# Altium PCB withICversion.PcbDoc (part 1 of 3) (continued)
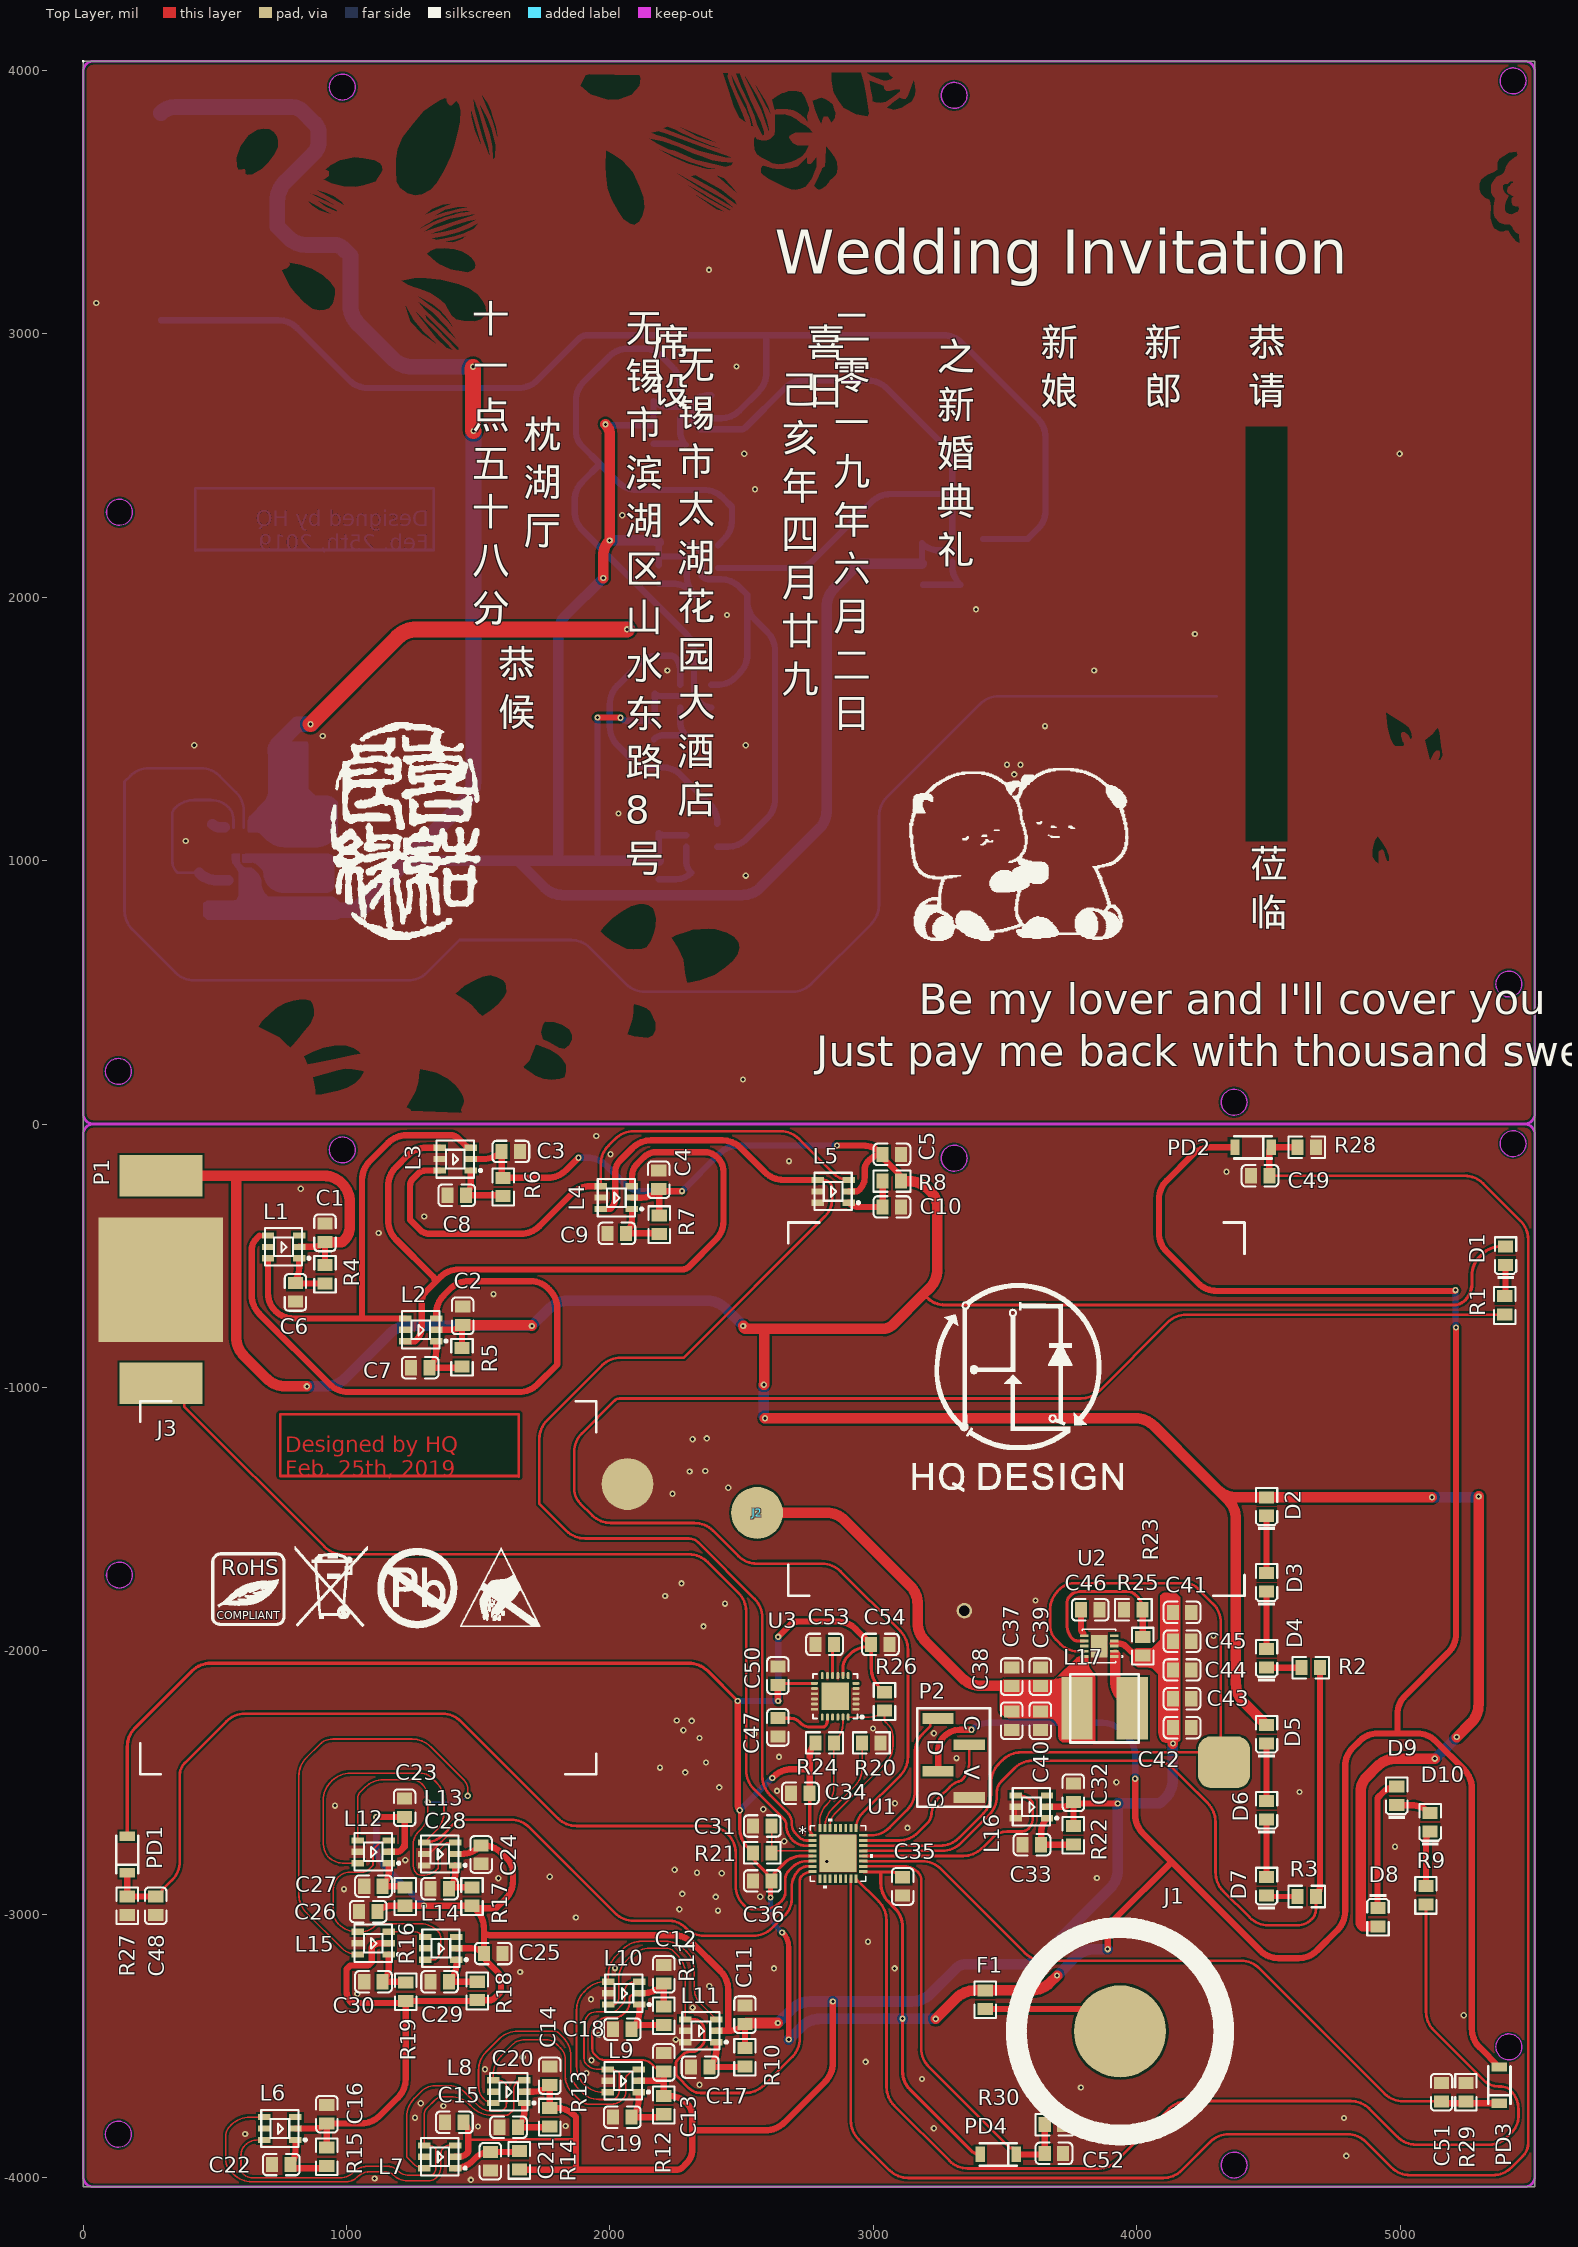
[diagram p0: Top Layer view]
## Components (designator, comment, footprint, x,y, rotation, side; value= is the part's Value field where it differs from the comment) (continued)
R19 "150Ω (1500) ±1%" 0805_R 1224.41,-3294.53 r270 top
R20 "10KΩ (1002) ±1%" 0805_R 2992.68,-2350.1 r180 top
R21 "10KΩ (1002) ±1%" 0805_R 2578.74,-2767.42 r180 top
R22 "150Ω (1500) ±1%" 0805_R 3759.84,-2700.53 r90 top
R23 "40.2KΩ (4022) ±1%" 0805_R 4022.64,-1982.28 r270 top
R24 "4.7KΩ (4701) ±1%" 0805_R 2814.96,-2350.1 r0 top
R25 "10KΩ (1002) ±1%" 0805_R 3987.6,-1844.49 r0 top
R26 "4.7KΩ (4701) ±1%" 0805_R 3042.52,-2192.62 r270 top
R27 "10KΩ (1002) ±1%" 0805_R 167.32,-2968.11 r90 top
R28 "10KΩ (1002) ±1%" 0805_R 4645.67,-88.12 r180 top
R29 "10KΩ (1002) ±1%" 0805_R 5250.28,-3676.06 r270 top
R30 "10KΩ (1002) ±1%" 0805_R 3686.06,-3799.09 r180 top
R31 "150Ω (1500) ±1%" 0805_R 3188.98,2082.28 r90 bottom
R32 "150Ω (1500) ±1%" 0805_R 2165.35,2618.11 r90 bottom
R33 "150Ω (1500) ±1%" 0805_R 2185.04,2086.61 r90 bottom
R34 "150Ω (1500) ±1%" 0805_R 2167.32,1496.06 r90 bottom
R35 "150Ω (1500) ±1%" 0805_R 2185.04,964.57 r90 bottom
R36 "40.2KΩ (4022) ±1%" 0805_R 586.22,925.21 r0 bottom
R37 "10KΩ (1002) ±1%" 0805_R 439.96,988.58 r270 bottom
U1 "STM32L0X1KUF2" UFQFPN32-5X5MM 2865.83,-2769.43 r0 top value=Value
U2 "TPS61230DRCR" VSON10_3X3 3857.28,-1982.28 r180 top value=Value
U3 "MPU-6050" QFN-24_4x4x05P 2855.43,-2172.93 r90 top
U4 "TPS61230DRCR" VSON10_3X3 590.55,1067.32 r90 bottom value=Value

## Footprints (in the part's own frame and the unit in brackets; to place one, negate y for a bottom-side part, rotate by r counter-clockwise, add the part's x,y. Pads: shape width x height; smd on the part's side, far side on the other; paste and mask are expansions set on the pad)
0805_C [mm]
  rect 1.16x1.47 smd: 1(-0.89,0) 2(0.89,0)
  silkscreen extent -1.77,-1.04 1.77,1.04, body extent -1,-0.62 1,0.63, height 0.77
0805_LED_S1 [mm]
  rect 1.16x1.47 smd: A(0.89,0) K(-0.89,0)
  silkscreen extent -2.24,-1.04 1.77,1.03, body extent -1.01,-0.62 1.01,0.62, height 1.1
0805_R [mm]
  rect 1.16x1.47 smd: 1(-0.89,0) 2(0.89,0)
  silkscreen extent -1.77,-1.04 1.77,1.03, body extent -1,-0.62 1,0.63, height 0.49
173139_BOT [mm]
  round 5 smd: 1(-10,25)
  silkscreen extent -18,-22 18,22
173139_HDR [mm]
  round 5 smd far side: 1(10,25)
CR2016_BOT [mm]
  oval 1.5x10 smd: 1(-11,0) 1(11,0)
  oval 1.5x5 smd rot 45: 1(-7.778,-7.778) 1(7.778,7.778)
  oval 1.5x5 smd rot 135: 1(-7.778,7.778) 1(7.778,-7.778)
  oval 10x1.5 smd: 1(0,-11) 1(0,11)
  round 20 smd: 1(0,0)
CR2016_HDR [mm]
  round 8.88 smd far side mask+0.102: 1(0,0)
HQCON [mm]
  rect 8x4 smd: 1(0,10) 3(0,-10)
  rect 12x12 smd: 2(0,0)
L2525 [mm]
  rect 6x3 smd: 1(3.302,-0.635) 2(3.302,-5.969)
  silkscreen extent 0,-6.6 6.6,0, body extent 0.7,-6.13 5.9,-0.42, height 4.5
LED-3535 [mm]
  rect 1.2x0.6 smd: 1(1.5,-1.1) 2(1.5,0) 3(1.5,1.1) 4(-1.5,1.1) 5(-1.5,0) 6(-1.5,-1.1)
  silkscreen extent -1.8,-1.8 2.57,1.8
LL-34 [mm]
  rect 0.9x1.5 smd: 1(1.75,0) 2(-1.75,0)
  silkscreen extent -1.8,-1.08 1.8,1.08
QFN-24_4x4x05P [mm]
  rect 2.68x2.68 smd mask+0.051: 0(0,0)
  oval 0.28x0.7 smd mask+0.051: 1(-1.25,-2) 2(-0.75,-2) 3(-0.25,-2) 4(0.25,-2) 5(0.75,-2) 6(1.25,-2) 13(1.25,2) 14(0.75,2) 15(0.25,2) 16(-0.25,2) 17(-0.75,2) 18(-1.25,2)
  oval 0.7x0.28 smd mask+0.051: 7(2,-1.25) 8(2,-0.75) 9(2,-0.25) 10(2,0.25) 11(2,0.75) 12(2,1.25) 19(-2,1.25) 20(-2,0.75) 21(-2,0.25) 22(-2,-0.25) 23(-2,-0.75) 24(-2,-1.25)
  silkscreen extent -2.15,-2.73 2.15,2.15
SWIM_SMT4 [mm]
  rect 1.02x3 smd: 1(0,0) 2(2.54,3) 3(5.08,0) 4(7.62,3)
  silkscreen extent -1,-2 8.5,5
UFQFPN32-5X5MM [mil]
  rect 32x11 smd paste+0 mask+0: 1(-96.5,68.9) 2(-96.5,49.21) 3(-96.5,29.53) 4(-96.5,9.84) 5(-96.5,-9.84) 6(-96.5,-29.53) 7(-96.5,-49.21) 8(-96.5,-68.9) 17(96.5,-68.9) 18(96.5,-49.21) 19(96.5,-29.53) 20(96.5,-9.84) 21(96.5,9.84) 22(96.5,29.53) 23(96.5,49.21) 24(96.5,68.9)
  rect 11x32 smd paste+0 mask+0: 9(-68.9,-96.5) 10(-49.21,-96.5) 11(-29.53,-96.5) 12(-9.84,-96.5) 13(9.84,-96.5) 14(29.53,-96.5) 15(49.21,-96.5) 16(68.9,-96.5) 25(68.9,96.5) 26(49.21,96.5) 27(29.53,96.5) 28(9.84,96.5) 29(-9.84,96.5) 30(-29.53,96.5) 31(-49.21,96.5) 32(-68.9,96.5)
  rect 142x142 smd paste-70.5 mask+0: 33(0,0)
  silkscreen extent -106,-132 132,132, body extent 0,0 10,10, height 10
VSON10_3X3 [mil]
  rect 32x11 smd paste+0 mask+0: 1(-57,39.37) 2(-57,19.68) 3(-57,0) 4(-57,-19.68) 5(-57,-39.37) 6(57,-39.37) 7(57,-19.68) 8(57,0) 9(57,19.68) 10(57,39.37)
  rect 63x85 smd paste-42 mask+0: 11(0,0)
  silkscreen extent -90,-64 64,64, body extent 0,0 10,10, height 10

## Part data
C1 C2 C3 C4 C5 C6 C7 C8 C9 C10 C11 C12 C13 C14 C15 C16 C17 C18 C19 C20 C21 C22 C23 C24 C25 C26 C27 C28 C29 C30 C31 C32 C33 C34 C35 C46 C48 C49 C50 C51 C52 C53 C54 C55 C56 C57 C58 C59 C60 C61 C62 C63 C64 C74: library part "0805 100nF(104) 10% 50V", "贴片电容", Package=0805, SuppliersPartNumber=C49678, ComponentLink1Description=供?, ComponentLink1URL=http://www.szlcsc.com/product/details_50686.html, Supplier=LC
C36 C37 C38 C39 C40 C41 C42 C43 C44 C45 C65 C66 C67 C68 C69 C70 C71 C72 C73: library part "0805 10uF (106) 10% 25V", "贴片电容", Package=0805, SuppliersPartNumber=C15850, ComponentLink1Description=供?, ComponentLink1URL=http://www.szlcsc.com/product/details_16532.html, Supplier=LC
C47: library part "0805 2.2nF (222) 5% 50V", "贴片电容", Package=0805, SuppliersPartNumber=C28260, ComponentLink1Description=供?, ComponentLink1URL=http://www.szlcsc.com/product/details_29010.html, Supplier=LC
D1: library part "0805 红灯", "发光二极管", Package=0805, SuppliersPartNumber=C2295, ComponentLink1Description=供?, ComponentLink1URL=http://www.szlcsc.com/product/details_2668.html, Supplier=LC
D2 D3 D4 D5 D6 D7 D8 D10: library part "0805 黄灯", "发光二极管", Package=0805, SuppliersPartNumber=C2296, ComponentLink1Description=供?, ComponentLink1URL=http://www.szlcsc.com/product/details_2669.html, Supplier=LC
D9: library part "0805 白灯", "发光二极管", Package=0805, SuppliersPartNumber=C34499, ComponentLink1Description=供?, ComponentLink1URL=http://www.szlcsc.com/product/details_35468.html, Supplier=LC
F1: "Fuse", LatestRevisionDate=17-Jul-2002, LatestRevisionNote="Re-released for DXP Platform.", PackageDescription="Thru-Hole; 2 Leads", PackageReference=PIN-W2/E2.8, Published=8-Jun-2000, Publisher="Altium Limited"
L17 L23: "IHLP2525AHER1R0M", Manufacturer Name=Vishay-Dale, Manufacturer Part Number=IHLP2525AHER1R0M01, PackageReference=IHLP2525AHER1R0M01
P1 P3: "Header, 3-Pin", LatestRevisionDate=17-Jul-2002, LatestRevisionNote="Re-released for DXP Platform.", Publisher="Altium Limited"
P2: "Header, 4-Pin", LatestRevisionDate=17-Jul-2002, LatestRevisionNote="Re-released for DXP Platform.", Publisher="Altium Limited"
PD1 PD2 PD3 PD4: library part "LL-34 LL4148 LL-34 1206", "开关二极管", Package=LL-34, SuppliersPartNumber=C9808, ComponentLink1Description=供?, ComponentLink1URL=http://www.szlcsc.com/product/details_10338.html, Supplier=LC
R1 R20 R21 R25 R27 R28 R29 R30 R37: library part "0805 10KΩ (1002) 1%", "贴片电阻", Package=0805, SuppliersPartNumber=C17414, ComponentLink1Description=供?, ComponentLink1URL=http://www.szlcsc.com/product/details_18102.html, Supplier=LC
R2 R3 R9: library part "0805 1.5KΩ (1501) 1%", "贴片电阻", Package=0805, SuppliersPartNumber=C4310, ComponentLink1Description=供?, ComponentLink1URL=http://www.szlcsc.com/product/details_4717.html, Supplier=LC
R4 R5 R6 R7 R8 R10 R11 R12 R13 R14 R15 R16 R17 R18 R19 R22 R31 R32 R33 R34 R35: library part "0805 150Ω (1500) 1%", "贴片电阻", Package=0805, SuppliersPartNumber=C17471, ComponentLink1Description=供?, ComponentLink1URL=http://www.szlcsc.com/product/details_18159.html, Supplier=LC
R23 R36: library part "0805 40.2KΩ (4022) 1%", "贴片电阻", Package=0805, SuppliersPartNumber=C17678, ComponentLink1Description=供?, ComponentLink1URL=http://www.szlcsc.com/product/details_18366.html, Supplier=LC
R24 R26: library part "0805 4.7KΩ (4701) 1%", "贴片电阻", Package=0805, SuppliersPartNumber=C17673, ComponentLink1Description=供?, ComponentLink1URL=http://www.szlcsc.com/product/details_18361.html, Supplier=LC
U3: "传感器", Package=QFN-24_4x4x05P, SuppliersPartNumber=C24112, ComponentLink1Description=供?, ComponentLink1URL=http://www.szlcsc.com/product/details_24852.html, Supplier=LC
U1: Copyright="Copyright (C) 2016 Accelerated Designs. All rights reserved", Manufacturer_Part_Number=STM32L0X1KUF2, RefDes=RefDes, Type=DEV, Vendor=STMicroelectronics
U2 U4: Built_By=EMA_Justin, Copyright="Copyright (C) 2016 Accelerated Designs. All rights reserved", Manufacturer_Part_Number=TPS61230DRCR, RefDes=RefDes, Type=DEV, Vendor="Texas Instruments"

## Free pads (board coordinates)
  round 59.06 hole 39.37: T(3346,-1848)
  rrect50% 196.85x196.85 smd far side: T(4233.27,1612.2)
  rrect50% 196.85x196.85 smd: T(4331.69,-2423.23)

## Via types
v1: diameter 24, hole 12, Top Layer to Bottom Layer, tented both sides, 156 vias

## Nets (pads, with @x,y where several pads share a name; then routed paths per layer and width w, separated by ;. In a path a pad name is that pad's centre, name@x,y a point inside that pad or via, vN(x,y) a via of type N, cw(c..) or ccw(c..) an arc to the next point about the centre after c; other vN are vias at no path point)
3V3: C34.2 C35.2 C36.2 C50.1 C54.1 F1.2 P2.3 PD1.1 PD2.1 PD3.1 PD4.1 R21.2 R24.1 R26.1 U1.1 U1.5 U1.17 U3.8 U3.13 | length 17860.3
  Top Layer w12: PD1.1@167.32,-2704.72 167.32,-2364.26 cw(c267.32,-2364.26) 196.61,-2293.55 413.62,-2076.53 cw(c484.33,-2147.24) 484.33,-2047.24 2300.11,-2047.24 cw(c2300.11,-2147.24) 2370.82,-2076.53 v1(2485.24,-2190.94) ; v1(2493.11,-2605.32) 2493.11,-2675.41 ccw(c2593.11,-2675.41) 2522.4,-2746.12 R21.2@2543.7,-2767.42 2543.7,-2774.77 ccw(c2589.4,-2774.77) 2557.09,-2807.09 2596.94,-2846.94 2596.94,-2851.08 2602.41,-2856.54 2606.54,-2856.54 cw(c2589.07,-2874.02) C36.2@2613.78,-2874.02 cw(c2660.35,-2874.02) 2627.42,-2841.08 2661.42,-2807.09 cw(c2728.56,-2874.23) 2728.56,-2779.27 U1.5@2769.33,-2779.27 ; C50.1@2637.8,-2129.23 cw(c2651.1,-2142.54) 2651.1,-2123.72 U3.13@2776.69,-2123.72 ; C34.2@2758.46,-2541.34 2758.46,-2674.31 ccw(c2795.55,-2674.31) U1.1@2769.33,-2700.53 ; U3.8@2884.96,-2094.19 2884.96,-2064.96 cw(c2946.18,-2064.96) 2902.89,-2021.67 2915.84,-2008.73 cw(c2981.38,-2084.25) 2960.25,-1986.51 cw(c2981.38,-2084.25) 2981.38,-1984.25 2992.13,-1984.25 2992.13,-2065.76 ccw(c3092.13,-2065.76) 3021.42,-2136.47 R26.1@3042.52,-2157.58 ; U1.17@2962.33,-2840.14 3028.54,-2840.14 ; C35.2@3111.34,-2859.98 ccw(c3063.44,-2907.88) 3063.44,-2840.14 3028.54,-2840.14 ; PD4.1@3405.51,-3912.4 cw(c3405.51,-3864.88) 3371.92,-3898.49 3140.51,-3667.08 cw(c3211.22,-3596.37) 3111.22,-3596.37 v1(3111.22,-3396.65) 3111.22,-3048.31 ccw(c3011.22,-3048.31) 3081.93,-2977.6 3057.83,-2953.5 cw(c3128.54,-2882.79) 3028.54,-2882.79 3028.54,-2840.14
  Top Layer w20: v1(2610,-2937) 2610,-2883.14 cw(c2622.9,-2883.14) C36.2@2613.78,-2874.02 ; v1(2654,-3070) 2656,-3070 cw(c2600.47,-3125.53) 2679,-3125.53 v1(2679,-3476)
  Top Layer w24: v1(2485.24,-2190.94) 2485.24,-2586.31 ccw(c2512.12,-2586.31) v1(2493.11,-2605.32) ; v1(2616.14,-2483.27) 2620.32,-2479.09 cw(c2691.03,-2549.8) 2691.03,-2449.8 2758.46,-2449.8 ; C50.1@2637.8,-2129.23 2637.8,-2188.57 ccw(c2641.16,-2188.57) v1(2638.78,-2190.94) ; v1(2638.78,-1947.24) 2684.97,-1901.05 cw(c2714.57,-1930.6) 2714.57,-1888.78 2863.4,-1888.78 cw(c2863.4,-1988.78) 2934.11,-1918.07 C54.1@2992.13,-1976.08 ; C34.2@2758.46,-2541.34 2758.46,-2449.8 ; R24.1@2779.92,-2350.1 ccw(c2831.72,-2401.9) 2758.46,-2401.9 2758.46,-2449.8 ; P2.3@3246.06,-2457.28 3246.06,-2381.83 cw(c3326.71,-2381.83) 3269.69,-2324.8 cw(c3329.09,-2384.21) 3329.09,-2300.2 v1(3373.03,-2300.2) ; v1(3889.76,-3132.87) 3889.76,-3086.7 cw(c3989.76,-3086.7) 3919.05,-3015.99 4132.87,-2802.17 ; v1(3994.09,-2486.22) 3994.09,-2621.96 ccw(c4094.09,-2621.96) 4023.38,-2692.68 4132.87,-2802.17 ; PD2.1@4373.03,-88.58 4281.58,-88.58 ccw(c4281.58,-188.58) 4210.87,-117.87 4113.93,-214.81 ccw(c4184.65,-285.52) 4084.65,-285.52 4084.65,-414.29 ccw(c4184.65,-414.29) 4113.94,-485 4233.51,-604.57 ccw(c4304.22,-533.86) 4304.22,-633.86 5203.5,-633.86 ccw(c5203.5,-623.78) v1(5210.63,-630.91) ; v1(5212.6,-772.64) 5212.6,-1935.94 cw(c5112.6,-1935.94) 5183.31,-2006.65 5019.45,-2170.51 ccw(c5090.16,-2241.22) 4990.16,-2241.22 4990.16,-2313.98 ; PD3.1@5382.87,-3579.72 5379.34,-3579.72 ccw(c5379.34,-3583.08) PD3.1@5376.97,-3580.71 5301.93,-3505.67 cw(c5372.64,-3434.96) 5272.64,-3434.96 5272.64,-2521.74 ccw(c5172.64,-2521.74) 5243.35,-2451.03 5135.59,-2343.27 ccw(c5064.88,-2413.98) 5064.88,-2313.98 4990.16,-2313.98 ; 4132.87,-2802.17 4468.74,-3138.03 ccw(c4539.45,-3067.32) 4539.45,-3167.32 4614.09,-3167.32 ccw(c4614.09,-3067.32) 4684.8,-3138.03 4762.05,-3060.79 ccw(c4691.34,-2990.07) 4791.34,-2990.07 4791.34,-2439.06 cw(c4891.34,-2439.06) 4820.63,-2368.35 4846.47,-2342.5 cw(c4915.35,-2411.4) 4915.35,-2313.98 4990.16,-2313.98
  Top Layer w40: v1(3237.2,-3397.64) 3315.75,-3319.1 cw(c3386.46,-3389.81) 3386.46,-3289.81 F1.2@3425.2,-3289.81 3599.87,-3289.81 ccw(c3599.87,-3189.81) 3670.58,-3260.52 v1(3697.83,-3233.27)
  Bottom Layer w12: v1(3111.22,-3396.65) 3234.83,-3396.65 cw(c3234.83,-3400.01) v1(3237.2,-3397.64)
  Bottom Layer w20: v1(2610,-2937) 2610,-2984.58 ccw(c2710,-2984.58) 2639.29,-3055.29 v1(2654,-3070)
  Bottom Layer w24: v1(2485.24,-2190.94) v1(2638.78,-2190.94) v1(2638.78,-1947.24) ; v1(2493.11,-2605.32) 2614.46,-2483.96 cw(c2616.14,-2485.64) v1(2616.14,-2483.27) ; v1(3373.03,-2300.2) cw(c3437.19,-2364.35) 3437.19,-2273.62 3870,-2273.62 cw(c3870,-2373.62) 3940.71,-2302.91 3965.55,-2327.76 cw(c3896.64,-2396.67) 3994.09,-2396.67 v1(3994.09,-2486.22) ; v1(5210.63,-630.91) 5210.63,-767.89 ccw(c5217.35,-767.89) v1(5212.6,-772.64)
  Bottom Layer w40: v1(2679,-3476) 2728.07,-3426.93 cw(c2798.78,-3497.64) 2798.78,-3397.64 v1(3237.2,-3397.64) ; v1(3697.83,-3233.27) 3768.94,-3162.16 cw(c3839.65,-3232.87) 3839.65,-3132.87 v1(3889.76,-3132.87)
5V1: C11.2 C12.2 C13.2 C14.2 C15.2 C16.2 C23.2 C24.2 C25.2 C26.2 C32.2 C41.2 C42.2 C43.2 C44.2 C45.2 L6.2 L7.2 L8.2 L9.2 L10.2 L11.2 L12.2 L13.2 L14.2 L15.2 L16.2 R10.2 R11.2 R12.2 R13.2 R14.2 R15.2 R16.2 R17.2 R18.2 R19.2 R22.2 R23.2 U2.3 U2.4 | length 12739.6
  Top Layer w8: L10.2@2112.2,-3300.2 2103.89,-3300.2 ccw(c2103.89,-3337.15) 2077.77,-3311.01 ccw(c2084.88,-3318.15) 2074.8,-3318.15 2074.8,-3334.65 cw(c2022.53,-3334.65) 2059.49,-3371.61 2053.15,-3377.95 cw(c2017.51,-3342.31) 2017.51,-3392.72 1986.22,-3392.72 ccw(c1986.22,-3428.36) 1961,-3403.17 1945.87,-3418.31 ccw(c1976.76,-3449.2) 1933.07,-3449.2 1933.07,-3511.81 ccw(c1961.59,-3511.81) 1941.42,-3531.97 1952.76,-3543.31 ccw(c1976.52,-3519.55) 1976.52,-3553.15 2120.45,-3553.15 cw(c2120.45,-3606.92) 2158.46,-3568.9 2175.49,-3585.92 ccw(c2204.72,-3556.69) C13.2@2204.72,-3598.03
  Top Layer w10: 1461.61,-3856.3 1642.31,-3856.3 ccw(c1642.31,-3852.94) 1644.68,-3855.32 1868.69,-3855.31 cw(c1868.69,-3858.68) 1871.06,-3856.3
  Top Layer w24: L6.2@806.1,-3813.98 879.1,-3813.98 ccw(c879.1,-3748.78) C16.2@925.2,-3794.88 ; R15.2@925.2,-3886.23 C16.2@925.2,-3794.88 ; v1(1113.19,-2631.89) cw(c1114.52,-2633.22) 1114.52,-2631.34 C23.2@1220.47,-2631.34 1220.47,-2744.09 1207.68,-2756.89 ; C26.2@1117.72,-2990.2 cw(c1171.05,-3043.53) 1171.05,-2968.11 R16.2@1222.44,-2968.11 R17.2@1476.38,-2968.11 ; L15.2@1160.76,-3110.23 1129.34,-3110.23 ccw(c1129.34,-3153.95) 1098.43,-3123.03 ccw(c1105.55,-3130.16) 1095.47,-3130.16 1095.47,-3182.17 1087.68,-3189.95 cw(c1075.79,-3178.06) 1075.79,-3194.88 1014.06,-3194.88 1000,-3208.94 1000,-3292.45 ccw(c1063.85,-3292.45) 1018.7,-3337.6 1205.02,-3337.6 ccw(c1205.02,-3310.18) R19.2@1224.41,-3329.57 ; L12.2@1160.76,-2763.48 1191.76,-2763.48 ccw(c1191.76,-2740.97) 1207.68,-2756.89 ; 1220.47,-2726 cw(c1176.79,-2726) 1207.68,-2756.89 ; L7.2@1413.39,-3921.26 1425.39,-3921.26 ccw(c1425.39,-3874.21) 1458.66,-3907.48 ccw(c1451.53,-3900.35) 1461.61,-3900.35 1461.61,-3856.3 1461.61,-3826.38 ccw(c1414.57,-3826.38) C15.2@1447.83,-3793.11 ; L13.2@1413.39,-2771.63 1436.35,-2771.63 ccw(c1436.35,-2671.63) 1507.07,-2742.34 C24.2@1510.83,-2738.58 1517.04,-2738.58 cw(c1517.04,-2838.58) 1587.75,-2767.87 1610.24,-2790.35 cw(c1557.96,-2842.63) 1631.89,-2842.63 1631.89,-2872.95 cw(c1531.89,-2872.95) 1602.6,-2943.66 1568.9,-2977.36 1498.71,-2977.36 cw(c1498.71,-2945.77) R17.2@1476.38,-2968.11 ; L14.2@1417.32,-3129.92 1474.52,-3129.92 cw(c1474.52,-3197.13) C25.2@1522.05,-3149.61 ; R14.2@1656.5,-3970.08 1867.13,-3970.08 ; L8.2@1675.2,-3674.21 1709.4,-3674.21 ccw(c1709.4,-3586.17) C14.2@1771.65,-3648.43 R13.2@1771.65,-3735.63 1795.26,-3735.63 cw(c1795.26,-3835.63) 1865.97,-3764.92 1871.06,-3770.01 1871.06,-3856.3 1871.06,-3960.57 cw(c1857.62,-3960.57) 1867.13,-3970.08 ; L9.2@2109.25,-3632.87 2204.72,-3632.87 ; L10.2@2112.2,-3300.2 2126.49,-3300.2 ccw(c2126.49,-3200.2) 2197.2,-3270.91 C12.2@2204.72,-3263.39 R11.2@2204.72,-3350.79 ; C13.2@2204.72,-3598.03 2204.72,-3632.87 ; L11.2@2404.53,-3442.92 2449.11,-3442.92 ; R10.2@2512.8,-3508.27 C11.2@2512.8,-3416.54 cw(c2449.11,-3352.85) 2449.11,-3442.92 ; v1(2846.46,-3331.69) 2846.46,-3565.09 cw(c2746.46,-3565.09) 2817.17,-3635.8 2661.39,-3791.58 cw(c2590.68,-3720.87) 2590.68,-3820.87 2312.99,-3820.87 ; L16.2@3659.45,-2592.52 3716.12,-2592.52 ccw(c3716.12,-2530.69) C32.2@3759.84,-2574.41 ; R22.2@3759.84,-2665.49 C32.2@3759.84,-2574.41 ; 3908.78,-1972.44 3932.52,-1972.44 cw(c3932.52,-2009.41) 3958.66,-1983.27 3971.56,-1996.16 ccw(c4022.64,-1945.08) R23.2@4022.64,-2017.32 4040.13,-2017.32 cw(c4040.13,-2117.32) 4110.84,-2046.61 C44.2@4137.2,-2072.97 ; v1(3928.15,-2579.72) 3772.67,-2579.72 cw(c3772.67,-2561.58) C32.2@3759.84,-2574.41 ; C42.2@4137.2,-2291.61 C43.2@4137.2,-2182.29 C44.2@4137.2,-2072.97 ; C41.2@4137.2,-1854.33 C45.2@4137.2,-1963.65 C44.2@4137.2,-2072.97 ; C16.2@925.2,-3794.88 1055.43,-3794.88 ccw(c1055.43,-3694.88) 1126.14,-3765.59 1195.12,-3696.61 ccw(c1124.41,-3625.9) 1224.41,-3625.9 R19.2@1224.41,-3329.57 ; R19.2@1224.41,-3329.57 1489.31,-3329.57 ccw(c1489.31,-3320.02) R18.2@1496.06,-3326.77 1544.39,-3326.77 ccw(c1544.39,-3303.25) 1561.02,-3319.88 1579.66,-3301.25 ccw(c1562.85,-3284.45) 1586.61,-3284.45 1586.61,-3251.31 ccw(c1543,-3251.31) 1573.84,-3220.47 1535.53,-3182.17 cw(c1568.09,-3149.61) C25.2@1522.05,-3149.61 ; R17.2@1476.38,-2968.11 1492.76,-2984.49 cw(c1422.05,-3055.2) 1522.05,-3055.2 1522.05,-3070.87 ; C25.2@1522.05,-3149.61 1522.05,-3070.87 ; 1522.05,-3070.87 ccw(c1543.43,-3049.48) 1543.43,-3079.72 2242.04,-3079.72 cw(c2242.04,-3179.72) 2312.75,-3109.01 2419.82,-3216.08 cw(c2349.11,-3286.79) 2449.11,-3286.79 2449.11,-3442.92 ; 1867.13,-3970.08 2256.55,-3970.08 ccw(c2256.55,-3944.54) 2274.61,-3962.6 2290.8,-3946.4 ccw(c2237.33,-3892.87) 2312.99,-3892.87 2312.99,-3820.87 ; 2204.72,-3632.87 R12.2@2204.72,-3689.76 2223.28,-3689.76 cw(c2223.28,-3787.41) 2292.32,-3718.36 cw(c2242.42,-3768.26) 2312.99,-3768.26 2312.99,-3820.87
  Top Layer w40: C11.2@2512.8,-3416.54 cw(c2520.4,-3424.14) 2520.4,-3413.39 v1(2637.8,-3413.39) ; C42.2@4137.2,-2291.61 4137.2,-2351.9 v1(4137.67,-2352.36)
  Bottom Layer w24: v1(1113.19,-2631.89) 1113.19,-2745.98 ccw(c1213.19,-2745.98) 1142.48,-2816.69 v1(1294.29,-2968.5)
  Bottom Layer w40: v1(2637.8,-3413.39) 2690.2,-3360.98 cw(c2760.91,-3431.69) 2760.91,-3331.69 v1(2846.46,-3331.69) 3146.57,-3331.69 ccw(c3146.57,-3231.69) 3217.28,-3302.4 3312.33,-3207.36 cw(c3354.33,-3249.37) 3354.33,-3189.96 3570.85,-3189.96 ccw(c3570.85,-3092.51) 3639.73,-3161.45 3898.86,-2902.32 ccw(c3828.15,-2831.61) 3928.15,-2831.61 v1(3928.15,-2579.72) 4078.84,-2579.72 ccw(c4078.84,-2556.2) 4095.47,-2572.83 4108.51,-2559.8 ccw(c4037.8,-2489.09) 4137.8,-2489.09 4137.8,-2352.36 v1(4137.67,-2352.36)
5V2: C1.2 C2.2 C3.2 C4.2 C5.2 D1.A D2.A D5.A D8.A L1.2 L2.2 L3.2 L4.2 L5.2 P1.1 R4.2 R5.2 R6.2 R7.2 R8.2 | length 16725.4
  Top Layer w12: 3190.45,-646.16 3202.01,-657.72 ccw(c3272.72,-587.01) 3272.72,-687.01 5204.28,-687.01 ccw(c5204.28,-626.52) 5247.05,-669.29 ccw(c5185.27,-607.51) 5272.64,-607.51 5272.64,-574.89 cw(c5372.64,-574.89) 5301.93,-504.18 5312.25,-493.86 cw(c5382.96,-564.57) 5382.96,-464.57 D1.A@5400.59,-464.57
  Top Layer w24: L1.2@819.88,-466.54 874.58,-466.54 ccw(c874.58,-404.7) C1.2@918.31,-448.43 R4.2@918.31,-535.83 ; L2.2@1340.55,-781.49 1397.25,-781.49 ccw(c1397.25,-719.69) C2.2@1440.94,-763.39 ccw(c1447.12,-769.56) 1438.39,-769.56 R5.2@1438.39,-850.79 ; L3.2@1471.46,-133.22 1519.22,-133.22 ccw(c1519.22,-34.58) C3.2@1588.98,-104.33 1588.98,-190.83 ccw(c1607.8,-190.83) R6.2@1594.49,-204.13 1763.3,-204.13 ccw(c1763.3,-104.13) 1834.01,-174.84 v1(1880.91,-127.95) ; L4.2@2083.66,-279.53 2119.11,-279.53 ccw(c2119.11,-183.51) C4.2@2187.01,-251.41 ; R7.2@2187.01,-346.85 C4.2@2187.01,-251.41 ; v1(2273.62,-254.92) 2195.49,-254.92 cw(c2195.49,-242.92) C4.2@2187.01,-251.41 ; v1(2862.2,-81.69) 2960.53,-81.69 cw(c2960.53,-181.69) 3031.24,-110.98 C5.2@3035.83,-115.57 ; L5.2@2906.5,-255.91 2931.2,-255.91 ccw(c2931.2,-232.38) 2947.83,-249.02 ccw(c2900.31,-201.49) 2967.52,-201.49 2967.52,-172.62 cw(c3011.21,-172.62) 2980.32,-141.73 2985.73,-136.32 cw(c3035.83,-186.42) C5.2@3035.83,-115.57 ; R8.2@3105.91,-216.54 ccw(c3062.25,-216.54) 3093.12,-185.66 3044.88,-137.43 cw(c3066.74,-115.57) C5.2@3035.83,-115.57
  Top Layer w40: P1.1@295.28,-196.85 580.71,-196.85 ; v1(849.41,-996.06) 767.8,-996.06 cw(c767.8,-896.06) 697.09,-966.77 610,-879.68 cw(c680.71,-808.97) 580.71,-808.97 580.71,-196.85 ; C1.2@918.31,-448.43 978.24,-448.43 ccw(c978.24,-432.97) 989.17,-443.9 ccw(c933.33,-388.06) 1012.3,-388.06 1012.3,-296.83 ccw(c912.3,-296.83) 983.01,-226.12 981.3,-224.41 ccw(c914.77,-290.94) 914.77,-196.85 580.71,-196.85 ; C2.2@1440.94,-763.39 1695.66,-763.39 cw(c1695.66,-774.81) v1(1703.74,-766.73) ; v1(2505.91,-766.73) v1@2507.87,-766.73 ; v1@2507.87,-771.48 2507.87,-773.62 ccw(c2517.38,-764.12) 2517.38,-777.56 2586.61,-777.56 ; v1(2584.65,-990.16) ccw(c2579.89,-985.41) 2586.61,-985.41 2586.61,-777.56 ; v1(2588.58,-1117.13) 3995,-1117.13 cw(c3995,-1217.13) 4065.71,-1146.42 4249.02,-1329.72 ; R8.2@3105.91,-216.54 3135.74,-216.54 cw(c3135.74,-316.54) 3206.45,-245.82 3220.47,-259.84 cw(c3165.82,-314.49) 3243.11,-314.49 3243.11,-552.08 cw(c3143.11,-552.08) 3213.82,-622.79 3190.45,-646.16 3074.8,-761.81 cw(c3036.78,-723.79) 3036.78,-777.56 2586.61,-777.56 ; D5.A@4493.11,-2282.13 4406.26,-2195.27 cw(c4476.97,-2124.56) 4376.97,-2124.56 4376.97,-1499.1 ccw(c4276.97,-1499.1) 4347.68,-1428.39 4249.02,-1329.72 ; D8.A@4916.34,-3046.85 4863.46,-3046.85 cw(c4863.46,-3038.11) 4857.28,-3044.29 cw(c4873.92,-3027.66) 4850.39,-3027.66 4850.39,-2533.98 cw(c4927.68,-2533.98) 4873.03,-2479.33 4913.62,-2438.74 cw(c4984.33,-2509.45) 4984.33,-2409.45 v1(5131.89,-2409.45) ; v1(5121.06,-1417.32) D2.A@4493.11,-1417.32 4378.04,-1417.32 cw(c4378.04,-1317.32) 4307.32,-1388.03 4249.02,-1329.72 ; v1(5215.55,-2327.76) 5268.94,-2274.37 ccw(c5198.23,-2203.66) 5298.23,-2203.66 v1(5298.23,-1414.37)
  Bottom Layer w24: v1(1880.91,-127.95) 1914.29,-127.95 cw(c1914.29,-227.95) 1985,-157.24 2053.39,-225.63 ccw(c2124.1,-154.92) 2124.1,-254.92 v1(2273.62,-254.92) 2417.56,-110.98 cw(c2488.27,-181.69) 2488.27,-81.69 v1(2862.2,-81.69)
  Bottom Layer w40: v1(849.41,-996.06) 922.16,-996.06 ccw(c922.16,-896.06) 992.87,-966.77 1163.62,-796.02 cw(c1234.33,-866.73) 1234.33,-766.73 v1(1703.74,-766.73) 1769.92,-700.55 cw(c1840.63,-771.26) 1840.63,-671.26 2369.01,-671.26 cw(c2369.01,-771.26) 2439.72,-700.55 v1(2505.91,-766.73) ; v1(2584.65,-990.16) 2584.65,-1107.62 ccw(c2598.09,-1107.62) v1(2588.58,-1117.13) ; v1(5121.06,-1417.32) 5291.1,-1417.32 ccw(c5291.1,-1407.24) v1(5298.23,-1414.37) ; v1(5131.89,-2409.45) ccw(c5131.89,-2404.7) 5135.24,-2408.06 v1(5215.55,-2327.76)
5V22: C55.2 C56.2 C57.2 C58.2 C59.2 C69.2 C70.2 C71.2 C72.2 C73.2 L18.2 L19.2 L20.2 L21.2 L22.2 P3.1 R31.2 R32.2 R33.2 R34.2 R35.2 R36.2 U4.3 U4.4 | length 12364.8
  Top Layer w24: v1(1952.76,1543.31) 2037.98,1543.31 cw(c2037.98,1539.95) v1(2040.35,1542.32)
  Top Layer w40: v1(1974.41,2072.83) 1974.41,2156.15 cw(c2058.42,2156.15) v1(1999.02,2215.55) 1999.02,2618.48 ccw(c1945.25,2618.48) v1(1983.27,2656.5)
  Top Layer w60: 1477.36,2853.35 v1@1477.36,2867.87 ; v1(1480.31,2875) 1480.31,2634.47 ccw(c1485.36,2634.47) v1(1481.79,2630.91)
  Bottom Layer w24: 1945.87,999.61 ccw(c1929.23,1016.24) 1952.76,1016.24 v1(1952.76,1543.31) ; v1(1983.27,2656.5) ccw(c1991.35,2664.58) 1991.35,2653.15 R32.2@2165.35,2653.15 C56.2@2165.35,2744.88 ccw(c2217.16,2796.68) 2217.16,2723.43 L19.2@2266.73,2723.43 ; v1(2040.35,1542.32) ccw(c2067.44,1569.41) 2067.44,1531.1 R34.2@2167.32,1531.1 ccw(c2161.38,1537.04) 2169.78,1537.04 C58.2@2169.78,1633.86 ccw(c2191.17,1655.24) 2191.17,1625 L21.2@2266.73,1625 ; R35.2@2185.04,999.61 C59.2@2185.04,1104.74 ccw(c2205.01,1124.7) 2205.01,1096.47 L22.2@2289.37,1096.47 ; R33.2@2185.04,2121.65 2185.04,2162.4 ; C57.2@2185.04,2209.06 2185.04,2162.4 ; L20.2@2292.32,2154.53 2204.05,2154.53 cw(c2204.05,2181.41) 2185.04,2162.4 ; R31.2@3184.65,2127.78 C55.2@3184.65,2204.72 ccw(c3248.8,2268.88) 3248.8,2178.15 L18.2@3299.21,2178.15
  Bottom Layer w40: 1122.01,879.96 1212.37,970.32 cw(c1283.08,899.61) 1283.08,999.61 1649.61,999.61 ; v1(1974.41,2072.83) 1832.44,1930.86 ccw(c1903.15,1860.15) 1803.15,1860.15 1803.15,999.61 ; v1(1999.02,2215.55) 2169.36,2215.55 cw(c2169.36,2193.37) C57.2@2185.04,2209.06 ; R35.2@2185.04,999.61 1945.87,999.61 1803.15,999.61 ; R31.2@3184.65,2127.78 2963.54,2127.78 ccw(c2963.54,2084.69) 2933.05,2115.14 2852.12,2034.21 ccw(c2922.83,1963.5) 2822.83,1963.5 2822.83,1190.8 cw(c2722.83,1190.8) 2793.55,1120.09 2571.84,898.38 cw(c2501.13,969.09) 2501.13,869.09 1821.54,869.09 cw(c1821.54,969.09) 1750.83,898.38 1649.61,999.61 ; 1649.61,999.61 1803.15,999.61
  Bottom Layer w60: P3.1@295.28,3838.58 cw(c349.93,3783.93) 349.93,3861.22 790.35,3861.22 cw(c790.35,3797.06) 835.72,3842.43 879.92,3798.23 cw(c846.65,3764.96) 893.7,3764.96 893.7,3729.33 cw(c830.73,3729.33) 875.26,3684.8 766.49,3576.04 ccw(c837.2,3505.33) 737.2,3505.33 737.2,3407.48 777.8,3366.89 ccw(c848.51,3437.6) 848.51,3337.6 953.74,3337.6 cw(c953.74,3290.07) 987.34,3323.69 1014.76,3296.26 1014.76,3108.35 ccw(c1114.76,3108.35) 1044.05,3037.64 1177.4,2904.29 ccw(c1248.11,2975) 1248.11,2875 v1(1480.31,2875) ; 761.81,811.5 C69.2@820.2,811.5 C70.2@929.57,811.5 1012.13,811.5 ccw(c1012.13,911.5) 1039.81,815.41 ; 1122.01,879.96 1082.84,840.79 cw(c1012.13,911.5) 1039.81,815.41 ; v1(1481.79,2630.91) 1481.79,1298.81 cw(c1381.79,1298.81) 1452.5,1228.1 1039.81,815.41
DAT_DIRLOC: P1.3 U1.3 | length 3613.9
  Top Layer w10: P1.3@295.28,-984.25 309.42,-984.25 383.16,-1057.99 383.16,-1072.13 915.59,-1604.57 ccw(c986.3,-1533.86) 986.3,-1633.86 2300.11,-1633.86 cw(c2300.11,-1733.86) 2370.82,-1663.15 2487.71,-1780.03 cw(c2417,-1850.74) 2517,-1850.74 2517,-2453.93 ccw(c2617,-2453.93) 2546.29,-2524.64 2660.95,-2639.3 cw(c2640.78,-2659.45) 2669.29,-2659.45 ccw(c2754.11,-2659.45) 2694.13,-2719.43 2694.88,-2720.17 ccw(c2742.52,-2672.54) 2742.52,-2739.9 U1.3@2769.33,-2739.9
DAT_DIRLOC2: L18.4 L19.6 P3.3 | length 4727
  Bottom Layer w24: P3.3@295.28,3051.18 741.55,3051.18 cw(c741.55,2951.18) 812.26,3021.89 1010.57,2823.58 ccw(c1081.28,2894.29) 1081.28,2794.29 1653.46,2794.29 ccw(c1653.46,2894.29) 1724.17,2823.58 1881.89,2981.3 cw(c1915.16,2948.03) 1915.16,2995.08 2593.5,2995.08 ; L19.6@2384.84,2680.12 2422.16,2680.12 ccw(c2422.16,2780.12) 2492.87,2709.4 2564.21,2780.75 ccw(c2493.5,2851.46) 2593.5,2851.46 2593.5,2995.08 ; L18.4@3417.32,2221.46 3586.62,2221.46 3626.4,2261.24 ccw(c3560.87,2326.77) 3653.54,2326.77 3653.54,2608.26 ccw(c3556.09,2608.26) 3625,2677.17 3336.38,2965.79 ccw(c3265.67,2895.08) 3265.67,2995.08 2593.5,2995.08
DAT_HEART: L16.4 U1.20 | length 836.6
  Top Layer w10: U1.20@2962.33,-2779.27 3341.71,-2779.27 ccw(c3341.71,-2679.27) 3412.42,-2749.98 3453.74,-2708.66 cw(c3508.39,-2763.31) 3508.39,-2686.02 3564.96,-2686.02 ccw(c3564.96,-2652.76) 3588.48,-2676.29 ccw(c3547.83,-2635.64) 3605.31,-2635.64 3605.31,-2581.76 ccw(c3588.51,-2581.76) 3600.39,-2569.88 ccw(c3550.49,-2619.79) 3550.49,-2549.21 L16.4@3541.34,-2549.21
DAT_INVNAM: R2.2 R3.2 U1.21 | length 3248.2
  Top Layer w10: U1.21@2962.33,-2759.59 3261.98,-2759.59 ccw(c3261.98,-2659.59) 3332.69,-2730.3 3439.71,-2623.28 ccw(c3369,-2552.57) 3469,-2552.57 3469,-2537 cw(c3525.08,-2537) 3485.4,-2497.37 3539,-2443.77 cw(c3601.21,-2505.98) 3601.21,-2418 4067.52,-2418 cw(c4067.52,-2518) 4138.23,-2447.29 4181.47,-2490.53 4269.92,-2578.98 cw(c4199.21,-2649.69) 4299.21,-2649.69 4299.21,-2841.41 ccw(c4399.21,-2841.41) 4328.5,-2912.13 4429.41,-3013.03 ccw(c4500.12,-2942.32) 4500.12,-3042.32 4608.33,-3042.32 ccw(c4608.33,-2961.67) 4665.35,-3018.7 ccw(c4628.29,-2981.63) 4680.71,-2981.63 R3.2@4680.71,-2933.07
  Top Layer w24: R3.2@4680.71,-2933.07 ccw(c4643.64,-2896) 4696.06,-2896 R2.2@4696.06,-2063.94